# Altium PCB PCB2.PcbDoc (part 1 of 2) (continued)
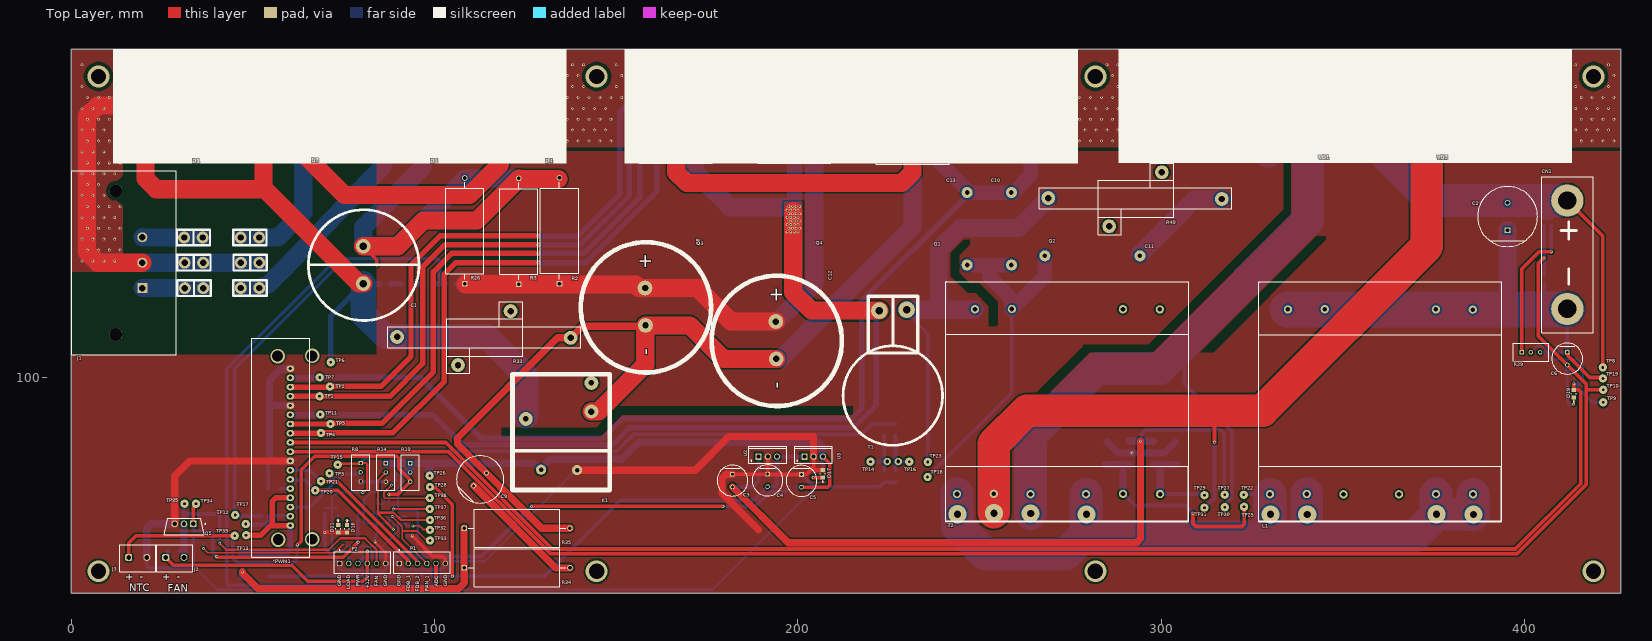
[diagram p0: Top Layer view]
## Part data
C1 C8 C12: library part CAP_450V_330uF
C2: library part CMP-05427-000270-1, "Aluminum Electrolytic Capacitors (Radial Lead Type) AEC-Q200 Qualified 470uF ±20% 100V", Capacitance=470uF, Case/Package=Radial, Dielectric Material=Aluminium, ESR (Equivalent Series Resistance)=47mR, Leakage Current=3uA, Max Operating Temperature=105°C, Min Operating Temperature=-55°C, Package Quantity=100, Ratings=AEC-Q200, Ripple Current=1.92A, Tolerance=20%, Voltage=100V, Construction=RADIAL, Contact Plating=Tin, Diameter=16mm, Height=40mm, Height - Seated (Max)=1.575inch, Impedance=47mR, Lead Diameter=0.8mm, Lead Free="Lead Free", Lead Pitch=7.5mm, Length=40mm, Life (Hours)=5000Hour, Mount="Through Hole", Packaging=Bulk, Polarity=Polar, Radiation Hardening=No, REACH SVHC="No SVHC", RoHS Compliant=Yes, Series=FC, Termination=Radial, Voltage Rating=100V, Voltage Rating (DC)=100V
C3 C4 C5 C6: library part CMP-12462-000027-1, "CAP ALUM 100UF 20% 50V RADIAL", Capacitance=100uF, Case/Package=Radial, Leakage Current=4uA, Max Operating Temperature=105°C, Min Operating Temperature=-55°C, Package Quantity=1, Ripple Current=190mA, Tolerance=20%, Voltage Rating=50V, Diameter=8mm, Height=11.5mm, Height - Seated (Max)=0.512inch, Lead Pitch=3.5mm, Length=11.5mm, Life (Hours)=2000Hour, Mount="Through Hole", Packaging="Tape and Reel", REACH SVHC="No SVHC", Series=KA, Termination=Radial, Voltage Rating (DC)=50V
C7: library part CMP-2007-00279-2, "CAP CER 0.1UF 50V X7R 0805", Capacitance="0.10 μF", Manufacturer=KEMET, Package=C0805C-DN, Temperature="-55°C to +125°C", Temperature Characteristic=X7R, Temperature Coefficient=30ppm/°C, Temperature Range High=+125°C, Temperature Range Low=-55°C, Tolerance=0.1, Voltage Rating="50 V", Automotive=No, Category=Cap, ComponentLink2Description=Datasheet, ComponentLink2URL=https://content.kemet.com/datasheets/KEM_C1003_C0G_SMD.pdf, Device Class L1="Passive Components", Device Class L2=Capacitors, Device Class L3="Ceramic Capacitors", Digikey Description="CAP CER 0.1UF 50V X7R 0805", Height=0.88mm, Ipc Land Pattern Name=CAPC200125X78, Lead Free=Yes, Manufacturer Part Number=C0805C104K5RACTU, Material=Ceramic, Mouser Description="Cap Ceramic 0.1uF 50V X7R 10% SMD 2.0 x 1.2 mm 125 C Paper T/R", Octopart=https://octopart.com/c0805c104k5ractu-kemet-143926, RoHS=TRUE
C9: library part CMP-05427-001155-1, "Aluminum Electrolytic Capacitors (Radial Lead Type) 10uF ±20% 450V", Capacitance=10uF, Case/Package=Radial, Dielectric Material=Aluminium, Leakage Current=10uA, Max Operating Temperature=85°C, Min Operating Temperature=-25°C, Package Quantity=200, Ripple Current=130mA, Tolerance=20%, Voltage=450V, Construction=RADIAL, Diameter=12.5mm, Dissipation Factor=0.2%, Height=20mm, Height - Seated (Max)=0.866inch, Lead Diameter=0.6mm, Lead Free="Lead Free", Lead Pitch=5mm, Lead/Base Style=Straight, Length=20mm, Life (Hours)=2000Hour, Mount="Through Hole", Number of Pins=2, Packaging=Bulk, Polarity=Polar, Radiation Hardening=No, REACH SVHC="No SVHC", Ripple Current (AC)=130mA, RoHS Compliant=Yes, Series=M, Termination=Radial, Voltage Rating=450V, Voltage Rating (DC)=450V
C11: library part 3.3uF_630V
CN1: "Batarey_connection"
D1 D2 D3 D4: library part CMP-02540-000097-1, "DIODE GP 1.2KV 40A TO247AC", Average Rectified Current=40A, Case/Package=TO-247-2, Max Reverse Voltage (DC)=1.2kV, Mount="Through Hole", Packaging=Rail/Tube, RoHS Compliant=Yes, Series=-
D5 D6 D7 D8 D9 D10 D14: library part CMP-2000-04932-2, "Fast Switching Diode, 100 V, 0.15 A, -65 to 150 degC, 2-Pin?SOD123, RoHS, Tape and Reel", If - Forward Current=0.15A, Ir - Reverse Current=1uA, Manufacturer=DiodesIncorporated, Max Surge Current=2A, Maximum Operating Temperature=+150C, Minimum Operating Temperature=-65C, Operating Temperature Range=-65Cto+150C, Package / Case=SOD-123, Package Reference=SOD123-2, Peak Reverse Voltage=100V, Vf - Forward Voltage=1.25V, Brand=DiodesIncorporated, Configuration=Single, Datasheet URL=http://www.farnell.com/datasheets/1915529.pdf, Datasheet Version="Rev. 24-2, 10/2013", Factory Pack Quantity=3000, Height=1.25mm, Length=2.85mm, Manufacturer URL=http://www.diodes.com/, Mounting Style=SMD/SMT, Package URL=http://www.diodes.com/datasheets/ds18004.pdf, Packaging=Reel, Product=SwitchingDiodes, Product Category=Diodes-GeneralPurpose,Power,Switching, Recovery Time=4ns, RoHS=True, Series=1N4148, Type=SwitchingDiode, Unit Weight=0.000353oz, Width=1.7mm
D11 D12 D13 D15 D16 D20: library part CMP-02540-000021-1, "DIODE GEN PURP 200V 3A DO214AB", Capacitance=45pF, Forward Current=3A, Manufacturer=Vishay, Max Junction Temp=+150°C, Max Repetitive Reverse Voltage=200V, Max Surge Forward Current=100A, Package=95402, Peak Reverse Current=10uA, Temperature="-55°C to +150°C", Temperature Range Low=-55°C, Automotive=No, Category=Diode, ComponentLink2Description=Datasheet, ComponentLink2URL=http://www.vishay.com/docs/88589/es3.pdf, Device Class L1="Discrete Semiconductors", Device Class L2=Diodes, Device Class L3="Rectifier Diodes", Digikey Description="DIODE GEN PURP 200V 3A DO214AB", Footprint Url=https://www.vishay.com/docs/95402/smc.pdf, Height=2.62mm, Lead Free=Yes, Manufacturer Part Number=ES3D-E3/57T, Mouser Description="Rectifiers 3.0 Amp 200V 20ns", Octopart=https://octopart.com/es3d-e3%2F57t-vishay-39550290, Reverse Voltage=200V, RoHS=TRUE, Standoff Height=0mm, Temperature Range High=+150°C
D17 D18 D19 D21: "WURTH ELEKTRONIK - 151031YS06000 - LED, Yellow, Through Hole, T-1 (3mm), 30 mA, 2 V, 590 nm", Manufacturer_Name="Wurth Elektronik", Mouser Part Number=710-151031YS06000, Datasheet Link=https://katalog.we-online.de/led/datasheet/151031YS06000.pdf, Geometry.Height=5.5mm, Manufacturer_Part_Number=151031YS06000, Mouser Price/Stock=https://www.mouser.co.uk/ProductDetail/Wurth-Elektronik/151031YS06000?qs=LlUlMxKIyB3xSYYW%252BcuBiQ%3D%3D
J1: library part CMP-64678-000001-1, "PWR ENT RCPT IEC320-C14 PNL SLDR", Color=Black, Current=15A, Max Voltage Rating (AC)=250V, Package Quantity=100, Approvals=UL, Connector Type=Receptacle, Contact Plating=Tin, Current Rating=15A, Fuse=No, Gender=Receptacle, Housing Material=Thermoplastic, Lead Free="Lead Free", Max Current Rating=15A, Mount="Through Hole", Number of Contacts=3, Number of Poles=2, Number of Positions=3, Orientation="Right Angle", Packaging=Bulk, Panel Thickness=0.12inch, Pitch=7mm, REACH SVHC="No SVHC", Termination=Solder, Voltage Rating=250V, Voltage Rating (AC)=250V, Voltage Rating (DC)=250V
J2 J3: "WR-TBL Series 1377 Horizontal Entry, THT, pitch 5mm, 2p", Manufacturer="Wurth Elektronik", Operating Temperature Max=120°C, Operating Temperature Min=-30°C, Rated Current=16A, Working Voltage=300V, Application="Pressure Clamp", Category="Terminal Blocks", ComponentLink1Description="Website Link", ComponentLink1URL=https://www.we-online.com/redexpert/article/691137710002?ad, ComponentLink2Description="Datasheet Link", ComponentLink2URL=https://www.we-online.com/redexpert/spec/691137710002?ad, Manufacturer Part Number=691137710002, Match Code=WR-TBL, Modularity=No, Mount="Through Hole", Number of Pins=2, Number of Rows=1, Orientation=Horizontal, Packaging=Box, Pitch=5mm
J10: library part CMP-157536-000001-1, "XT60 CONNECTORS MALE/FEMALE PAIR"
K1: library part CMP-03396-000117-1, "RELAY GEN PURPOSE SPST 30A 48V", Coil Current=21mA, Coil Power=1W, Coil Resistance=2.304kR, Coil Voltage (DC)=48V, Contact Current Rating=30A, Contact Voltage Rating (AC)=277V, Max Operating Temperature=85°C, Min Operating Temperature=-55°C, Package Quantity=50, Power Consumption=4W, Application(s)="GENERAL PURPOSE", Approvals=UL, Coil Type=Non-Latching, Contact Material=Silver, Current Rating=30A, Depth=27.43mm, ELV=Non-Compliant, Height=20.4mm, Lead Free="Lead Free", Length=32.5mm, Life (Hours)=100000Hour, Max Voltage Rating (AC)=277V, Mount="Through Hole", Number of Pins=4, Operate Time=15ms, Packaging=Tray, Radiation Hardening=No, Relay Type="General Purpose", Release Time=15ms, RoHS Compliant=Yes, Series=T9A, Termination=PCB, Throw Configuration=SPST, Voltage Rating (AC)=277V, Weight=0.918oz, Width=27.4mm
L1: library part DROSEL, "Drosel", Manufacturer="Wuerth Elektronik", ComponentLink1Description="Manufacturer URL", ComponentLink1URL=http://www.we-online.com, ComponentLink2Description=Datasheet, ComponentLink2URL=http://katalog.we-online.de/pbs/datasheet/750311457.pdf, PackageReference=EP13, PartNumber=750311457, Ui=36V
P1 P2: "WR-WTB THT Male Vertical Locking Header, pitch 2.54mm, 6pins", Contact Resistance=20mΩ, Manufacturer="Wurth Elektronik", Operating Temperature Max=105°C, Operating Temperature Min=-40°C, Rated Current=3A, Withstanding Voltage=1000VAC, Working Voltage=250VAC, Category="Wire-to-Board Connectors", ComponentLink1Description="Website Link", ComponentLink1URL=https://www.we-online.com/redexpert/article/61900611121?ad, ComponentLink2Description="Datasheet Link", ComponentLink2URL=https://www.we-online.com/redexpert/spec/61900611121?ad, Gender=Male, Height=11.5mm, Length=15.24mm, Manufacturer Part Number=61900611121, Match Code=WR-WTB, Mount="Through Hole", Number of Pins=6, Number of Rows=1, Orientation=Vertical, Packaging=Bag, Pitch=2.54mm, Width=5.8mm
Q1 Q2 Q3 Q4: library part CMP-1168-00042-1, "Low Loss IGBT in TrenchStop and Fieldstop Technology, PG-TO247-3-44, Tube, Green", Manufacturer=Infineon, Switching Frequency="TRENCHSTOP 2-20kHz", ComponentLink1Description="Manufacturer URL", ComponentLink1URL=http://www.infineon.com/, ComponentLink2Description=Datasheet, ComponentLink2URL=http://www.infineon.com/dgdl/IGW60T120_Rev2_4G.pdf?folderId=db3a304412b407950112b408e8c90004&fileId=db3a304412b407950112b428250e3d74, ComponentLink3Description="Package Specification", ComponentLink3URL=http://www.infineon.com/dgdl/IDW10S120_Rev+2.pdf?folderId=db3a304314dca38901151224afae0c96&fileId=db3a304336724dc40136789691a04aa5, DatasheetVersion="Rev. 2.4", Green=TRUE, Halogen-free=FALSE, IC(max) @ 25 degC="100 A", Mounting Technology="Through Hole", PackageDescription="3-Pin Plastic (Green) Transistor Single Outline Package, Body 15.915 x 20.95 mm, Pitch 5.44 mm", PackageReference=PG-TO247-3-44_A, PackageVersion="Rev. 05, 07/2010", Packing=Tube, PartNumber=IGW60T120, RevisionNote="Lost Devices pt2", VCE (max)="1,200 V", VCE(sat) (typ)="2.3 V"
Q5: library part CMP-32901-000501-1, "MOSFET N-CH 55V 51A TO220AB", Case/Package=TO-220, Continuous Drain Current (ID)=51A, Drain to Source Breakdown Voltage=55V, Drain to Source Resistance=13.9mR, Gate to Source Voltage (Vgs)=20V, Input Capacitance=1.42nF, Max Operating Temperature=175°C, Max Power Dissipation=80W, Min Operating Temperature=-55°C, Threshold Voltage=4V, Drain to Source Voltage (Vdss)=55V, Halogen Free="Halogen Free", Height=0.38inch, Lead Free="Lead Free", Length=0.42inch, Max Dual Supply Voltage=55V, Mount="Through Hole", Number of Pins=3, Packaging=Rail/Tube, Power Dissipation=80W, Rds On Max=13.9mR, REACH SVHC="No SVHC", RoHS Compliant=Yes, Turn-Off Delay Time=33ns, Turn-On Delay Time=14ns, Width=0.19inch
R1: library part CMP-2001-04908-2, "RES Thick Film, 470Ω, 1%, 0.125W, 100ppm/°C, 0805", Case Code (Imperial)=0805, Case Code (Metric)=2012, Max Operating Temperature=155°C, Min Operating Temperature=-55°C, Package Quantity=5000, Power Rating=125mW, Resistance=10kR, Temperature Coefficient=100ppm/°C, Tolerance=1%, Voltage Rating=150V, Case/Package=0805, Composition="Thick Film", Contact Plating=Tin, Depth=1.25mm, Height=0.45mm, Lead Free="Lead Free", Length=2mm, Military Standard=Not, Packaging="Tape and Reel", Radiation Hardening=No, Termination=SMD/SMT, Voltage Rating (DC)=150V, Weight=0.000194oz, Width=1.25mm
R2 R3 R26 R34 R35: library part CMP-03413-000003-1, "RES 1.2 OHM 5W 5% AXIAL", Manufacturer=Yageo, Package=SQP500, Power Rating=5W, Resistance=1.2Ω, Temperature="-55°C to +155°C", Temperature Coefficient=300ppm/°C, Temperature Range High=+155°C, Temperature Range Low=-55°C, Tolerance=5%, Voltage Rating=350V, Automotive=No, Category=Res, ComponentLink2Description=Datasheet, ComponentLink2URL=https://datasheet.ciiva.com/2723/yageolr-sqpnsp-2013-2723111.pdf, Composition=Wirewound, Device Class L1="Passive Components", Device Class L2=Resistors, Device Class L3="Through-Hole Resistors", Digikey Description="RES 1.2 OHM 5W 5% AXIAL", Height=10mm, Ipc Land Pattern Name=RESAD2911W100L2350D1050, Lead Free=Yes, Manufacturer Part Number=SQP500JB-1R2, Octopart=https://octopart.com/sqp500jb-1r2-yageo-1162571, RoHS=TRUE, Series=SQP
R4 R7 R9 R10: library part CMP-2005-01987-2, "RES SMD 3,3K OHM 1% 1/2W 1992", Case Code (Imperial)=1210, Case Code (Metric)=3225, Max Operating Temperature=155°C, Max Power Dissipation=500mW, Min Operating Temperature=-55°C, Package Quantity=1, Resistance=0mR, Temperature Coefficient=0ppm/°C, Voltage Rating=200V, Case/Package=1210, Composition="Thick Film", Contact Plating=Tin, Depth=2.5mm, Features="Automotive AEC-Q200", Height=0.55mm, Length=3.2mm, Military Standard=Not, Mount="Surface Mount", Number of Terminations=2, Packaging="Tape and Reel", Power Rating=500mW, Radiation Hardening=No, REACH SVHC="No SVHC", Termination=SMD/SMT, Weight=0.000564oz, Width=0.098inch
R5: library part CMP-2005-01987-2, "RES SMD 10K OHM 1% 1/2W 1992", Case Code (Imperial)=1210, Case Code (Metric)=3225, Max Operating Temperature=155°C, Max Power Dissipation=500mW, Min Operating Temperature=-55°C, Package Quantity=1, Resistance=0mR, Temperature Coefficient=0ppm/°C, Voltage Rating=200V, Case/Package=1210, Composition="Thick Film", Contact Plating=Tin, Depth=2.5mm, Features="Automotive AEC-Q200", Height=0.55mm, Length=3.2mm, Military Standard=Not, Mount="Surface Mount", Number of Terminations=2, Packaging="Tape and Reel", Power Rating=500mW, Radiation Hardening=No, REACH SVHC="No SVHC", Termination=SMD/SMT, Weight=0.000564oz, Width=0.098inch
R6: library part CMP-2005-01987-2, "RES SMD 205K OHM 1% 1/2W 1992", Case Code (Imperial)=1210, Case Code (Metric)=3225, Max Operating Temperature=155°C, Max Power Dissipation=500mW, Min Operating Temperature=-55°C, Package Quantity=1, Resistance=0mR, Temperature Coefficient=0ppm/°C, Voltage Rating=200V, Case/Package=1210, Composition="Thick Film", Contact Plating=Tin, Depth=2.5mm, Features="Automotive AEC-Q200", Height=0.55mm, Length=3.2mm, Military Standard=Not, Mount="Surface Mount", Number of Terminations=2, Packaging="Tape and Reel", Power Rating=500mW, Radiation Hardening=No, REACH SVHC="No SVHC", Termination=SMD/SMT, Weight=0.000564oz, Width=0.098inch
R11 R20: library part CMP-2001-04908-2, "RES Thick Film, 1MΩ, 1%, 0.125W, 100ppm/°C, 0805", Case Code (Imperial)=0805, Case Code (Metric)=2012, Max Operating Temperature=155°C, Min Operating Temperature=-55°C, Package Quantity=5000, Power Rating=125mW, Resistance=10kR, Temperature Coefficient=100ppm/°C, Tolerance=1%, Voltage Rating=150V, Case/Package=0805, Composition="Thick Film", Contact Plating=Tin, Depth=1.25mm, Height=0.45mm, Lead Free="Lead Free", Length=2mm, Military Standard=Not, Packaging="Tape and Reel", Radiation Hardening=No, Termination=SMD/SMT, Voltage Rating (DC)=150V, Weight=0.000194oz, Width=1.25mm
R12 R13 R16: library part CMP-2005-01987-2, "RES SMD 300K OHM 1% 1/2W 1992", Case Code (Imperial)=1210, Case Code (Metric)=3225, Max Operating Temperature=155°C, Max Power Dissipation=500mW, Min Operating Temperature=-55°C, Package Quantity=1, Resistance=0mR, Temperature Coefficient=0ppm/°C, Voltage Rating=200V, Case/Package=1210, Composition="Thick Film", Contact Plating=Tin, Depth=2.5mm, Features="Automotive AEC-Q200", Height=0.55mm, Length=3.2mm, Military Standard=Not, Mount="Surface Mount", Number of Terminations=2, Packaging="Tape and Reel", Power Rating=500mW, Radiation Hardening=No, REACH SVHC="No SVHC", Termination=SMD/SMT, Weight=0.000564oz, Width=0.098inch
R15 R22 R23 R24 R25 R31 R32 R36 R37 R38 R39: library part CMP-2001-04908-2, "RES Thick Film, 10KΩ, 1%, 0.125W, 100ppm/°C, 0805", Case Code (Imperial)=0805, Case Code (Metric)=2012, Max Operating Temperature=155°C, Min Operating Temperature=-55°C, Package Quantity=5000, Power Rating=125mW, Resistance=10kR, Temperature Coefficient=100ppm/°C, Tolerance=1%, Voltage Rating=150V, Case/Package=0805, Composition="Thick Film", Contact Plating=Tin, Depth=1.25mm, Height=0.45mm, Lead Free="Lead Free", Length=2mm, Military Standard=Not, Packaging="Tape and Reel", Radiation Hardening=No, Termination=SMD/SMT, Voltage Rating (DC)=150V, Weight=0.000194oz, Width=1.25mm
R17: library part CMP-2005-01987-2, "RES SMD 1K OHM 1% 1/2W 1992", Case Code (Imperial)=1210, Case Code (Metric)=3225, Max Operating Temperature=155°C, Max Power Dissipation=500mW, Min Operating Temperature=-55°C, Package Quantity=1, Resistance=0mR, Temperature Coefficient=0ppm/°C, Voltage Rating=200V, Case/Package=1210, Composition="Thick Film", Contact Plating=Tin, Depth=2.5mm, Features="Automotive AEC-Q200", Height=0.55mm, Length=3.2mm, Military Standard=Not, Mount="Surface Mount", Number of Terminations=2, Packaging="Tape and Reel", Power Rating=500mW, Radiation Hardening=No, REACH SVHC="No SVHC", Termination=SMD/SMT, Weight=0.000564oz, Width=0.098inch
R18 R21: library part CMP-2001-04908-2, "RES Thick Film, 20KΩ, 1%, 0.125W, 100ppm/°C, 0805", Case Code (Imperial)=0805, Case Code (Metric)=2012, Max Operating Temperature=155°C, Min Operating Temperature=-55°C, Package Quantity=5000, Power Rating=125mW, Resistance=10kR, Temperature Coefficient=100ppm/°C, Tolerance=1%, Voltage Rating=150V, Case/Package=0805, Composition="Thick Film", Contact Plating=Tin, Depth=1.25mm, Height=0.45mm, Lead Free="Lead Free", Length=2mm, Military Standard=Not, Packaging="Tape and Reel", Radiation Hardening=No, Termination=SMD/SMT, Voltage Rating (DC)=150V, Weight=0.000194oz, Width=1.25mm
R27 R30: library part CMP-2001-04908-2, "RES Thick Film, 51KΩ, 1%, 0.125W, 100ppm/°C, 0805", Case Code (Imperial)=0805, Case Code (Metric)=2012, Max Operating Temperature=155°C, Min Operating Temperature=-55°C, Package Quantity=5000, Power Rating=125mW, Resistance=10kR, Temperature Coefficient=100ppm/°C, Tolerance=1%, Voltage Rating=150V, Case/Package=0805, Composition="Thick Film", Contact Plating=Tin, Depth=1.25mm, Height=0.45mm, Lead Free="Lead Free", Length=2mm, Military Standard=Not, Packaging="Tape and Reel", Radiation Hardening=No, Termination=SMD/SMT, Voltage Rating (DC)=150V, Weight=0.000194oz, Width=1.25mm
R28: library part CMP-2001-04908-2, "RES Thick Film, 510Ω, 1%, 0.125W, 100ppm/°C, 0805", Case Code (Imperial)=0805, Case Code (Metric)=2012, Max Operating Temperature=155°C, Min Operating Temperature=-55°C, Package Quantity=5000, Power Rating=125mW, Resistance=10kR, Temperature Coefficient=100ppm/°C, Tolerance=1%, Voltage Rating=150V, Case/Package=0805, Composition="Thick Film", Contact Plating=Tin, Depth=1.25mm, Height=0.45mm, Lead Free="Lead Free", Length=2mm, Military Standard=Not, Packaging="Tape and Reel", Radiation Hardening=No, Termination=SMD/SMT, Voltage Rating (DC)=150V, Weight=0.000194oz, Width=1.25mm
R33: library part RES_10W
T2: library part Transformer, "Transformer", Manufacturer="Wuerth Elektronik", ComponentLink1Description="Manufacturer URL", ComponentLink1URL=http://www.we-online.com, ComponentLink2Description=Datasheet, ComponentLink2URL=http://katalog.we-online.de/pbs/datasheet/750311457.pdf, PackageReference=EP13, PartNumber=750311457, Ui=36V
TP1 TP2 TP3 TP4 TP5 TP6 TP7 TP8 TP9 TP10 TP11 TP12 TP13 TP14 TP15 TP16 TP17 TP18 TP19 TP20 TP21 TP22 TP23 TP25 TP26 TP27 TP28 TP29 TP30 TP31 TP32 TP33 TP34 TP35 TP36 TP37 TP38 TP39: library part TP_PCB?, "Test_Point"
U1: library part CMP-1685-00009-2, "IC OPAMP GP 2 CIRCUIT 8SOIC", Case/Package=SOIC, Dual Supply Voltage=9V, Input Bias Current=250nA, Input Offset Voltage (Vos)=7mV, Max Dual Supply Voltage=16V, Max Operating Temperature=70°C, Max Supply Voltage=32V, Min Dual Supply Voltage=1.5V, Min Operating Temperature=0°C, Min Supply Voltage=3V, Nominal Supply Current=1.2mA, Operating Supply Current=1mA, Output Current=30mA, Package Quantity=2500, Power Supply Rejection Ratio (PSRR)=65dB, Voltage Gain=100dB, Bandwidth=700kHz, Common Mode Rejection Ratio=65dB, Contact Plating=Gold, Gain Bandwidth Product=700kHz, Height=1.58mm, Lead Free="Lead Free", Length=4.9mm, Mount="Surface Mount", Number of Amplifiers=2, Number of Channels=2, Number of Circuits=2, Number of Elements=2, Number of Pins=8, Operating Supply Voltage=16V, Output Current per Channel=30mA, Packaging="Tape and Reel", Radiation Hardening=No, REACH SVHC="No SVHC", Slew Rate=0.3V/µs, Unity Gain Bandwidth Product=700kHz, Width=3.91mm
U2: library part CMP-0244-00426-1, "Positive Voltage Regulator, 18V, 3-Pin TO-220", ComponentLink1Description="Manufacturer URL", ComponentLink1URL=http://www.st.com, ComponentLink2Description=Datasheet, ComponentLink2URL=http://www.st.com/internet/com/TECHNICAL_RESOURCES/TECHNICAL_LITERATURE/DATASHEET/CD00000444.pdf, ComponentLink3Description="Package Specification", ComponentLink3URL=http://www.st.com/internet/com/TECHNICAL_RESOURCES/TECHNICAL_LITERATURE/PACKAGE_INFORMATION/CD00004649.pdf, DatasheetVersion=16/11/2011, PackageDescription="TO, Thru-Hole, Vertical, Heatsink Mounted; 3 In-Line Leads; Pitch 2.54 mm", PackageReference=TO220, PackageVersion=ver3.0
U3: library part CMP-0244-00450-1, "Positive Voltage Regulator, 12V, 3-Pin TO-220", ComponentLink1Description="Manufacturer URL", ComponentLink1URL=http://www.st.com, ComponentLink2Description=Datasheet, ComponentLink2URL=http://www.st.com/internet/com/TECHNICAL_RESOURCES/TECHNICAL_LITERATURE/DATASHEET/CD00000444.pdf, ComponentLink3Description="Package Specification", ComponentLink3URL=http://www.st.com/internet/com/TECHNICAL_RESOURCES/TECHNICAL_LITERATURE/PACKAGE_INFORMATION/CD00004649.pdf, DatasheetVersion=16/11/2011, PackageDescription="TO, Thru-Hole, Vertical, Heatsink Mounted; 3 In-Line Leads; Pitch 2.54 mm", PackageReference=TO220, PackageVersion=ver3.0
U4: library part CMP-0242-00060-1, "Programmable Voltage Reference, 2.5 to 36V, 3-Pin SOT23-3, Tape and Reel", ComponentLink1Description="Manufacturer URL", ComponentLink1URL=http://www.st.com, ComponentLink2Description=Datasheet, ComponentLink2URL=http://www.st.com/internet/com/TECHNICAL_RESOURCES/TECHNICAL_LITERATURE/DATASHEET/CD00000986.pdf, DatasheetVersion=Oct-2011, PackageDescription="3-Pin SOT-23 Package 0.95 mm Pitch, 2.4 mm Lead Span", PackageReference=SOT23-3, PackageVersion=2011

## Via types
v1: diameter 0.8, hole 0.4, Top Layer to Bottom Layer, tented both sides, 732 vias
v2: diameter 10, hole 4.2, Top Layer to Bottom Layer, 9 vias
v3: diameter 5, hole 2, Top Layer to Bottom Layer, 8 vias
v4: diameter 6, hole 4.2, Top Layer to Bottom Layer, 8 vias
v5: diameter 4, hole 3, Top Layer to Bottom Layer, tented both sides, 4 vias

## Nets (pads, with @x,y where several pads share a name; then routed paths per layer and width w, separated by ;. In a path a pad name is that pad's centre, name@x,y a point inside that pad or via, vN(x,y) a via of type N, cw(c..) or ccw(c..) an arc to the next point about the centre after c; other vN are vias at no path point)
GND: *PWM1.8 *PWM1.14 *PWM1.18 C3.1 C4.1 C5.1 C7.2 C8.2 C12.2 D5.1 D7.1 D13.2 D16.2 D17.2 D18.2 D21.2 J3.2 K1.4 P1.1 P1.6 P2.1 P2.6 Q2.3 Q4.3 Q5.3 R2.1 R3.1 R5.1 R7.1 R8.3 R10.1 R14.3 R15.1 R17.1 R21.1 R22.1 R23.1 R26.1 U1.4 U2.2 U3.2 | length 1004.5
  Top Layer w0.6: v1(83.579,54.7) 86.563,51.716 P2.6@86.563,48.768
  Top Layer w1: v1(69.799,57.328) 69.808,57.319 D21.2@73.508,57.319 ; D21.2@73.57,57.306 75.908,57.306 D18.2@75.921,57.294 ; v1(93.878,56.363) 99.543,50.698 102.235,50.698 102.946,49.987 P1.6@102.946,48.768 ; C3.1@181.966,73.327 181.992,73.354 191.591,73.354 C4.1@191.618,73.381 ; U2.2@191.694,78.156 191.656,78.118 191.656,73.419 C4.1@191.618,73.381 ; U3.2@204.292,78.156 204.292,75.311 ; D17.2@206.858,74.481 204.878,74.481 204.292,75.067 204.292,75.311 ; C4.1@191.618,73.381 191.745,73.254 C5.1@200.965,73.254 201.066,73.355 202.336,73.355 204.292,75.311
  Top Layer w2: Q5.3@28.524,59.665 28.524,72.847 32.664,76.987 *PWM1.8@60.325,76.987 ; K1.4@139.192,74.447 K1.4@139.217,74.447 171.704,74.447 180.95,83.693 204.292,83.693 U3.2@204.292,78.156 ; C3.1@181.966,73.327 180.242,73.327 179.07,72.156 179.07,68.123 189.154,58.039
  Top Layer w5: R26.1@108.508,125.577 123.165,125.577 R2.1@134.366,125.577 ; R2.1@134.594,125.527 155.27,125.527 156.235,124.562 172.39,124.562 181.61,115.341 C12.2@193.904,115.341 ; Q4.3@204.495,161.696 204.495,175.557 207.424,178.486 266.565,178.486 269.494,175.557 Q2.3@269.494,161.595
  Bottom Layer w0.6: 33.63,48.135 40.24,41.524 176.449,41.524 204.851,69.926 ; v1(83.579,54.7) 83.618,54.738 83.618,55.843 84.074,56.3 R23.1@84.074,59.731 ; R21.1@84.074,68.463 82.763,68.463 80.543,66.243 80.543,60.245 81.057,59.731 R23.1@84.074,59.731 ; U1.4@85.957,59.731 R23.1@84.074,59.731 ; P1.6@102.946,48.768 103.113,48.768 103.748,49.403 113.843,49.403 K1.4@139.852,75.413
  Bottom Layer w1: J3.2@20.839,50.428 20.839,48.135 21.425,47.549 33.044,47.549 33.63,48.135 R15.1@33.63,55.845 ; R5.1@54.279,69.317 54.279,78.917 54.61,79.248 ; C7.2@69.799,62.471 v1(69.799,57.328) 69.799,52.832 P2.1@73.863,48.768 73.863,47.322 74.449,46.736 85.977,46.736 86.563,47.322 P2.6@86.563,48.768 P1.1@90.246,48.768 90.496,48.518 90.496,47.703 91.181,47.018 101.783,47.018 102.851,48.086 102.851,48.672 P1.6@102.946,48.768 ; R8.3@79.654,71.323 79.68,71.298 84.074,71.298 ; R21.1@84.074,68.463 84.074,71.298 ; R14.3@86.609,71.272 86.584,71.298 84.074,71.298 ; R22.1@92.503,56.379 93.862,56.379 v1(93.878,56.363) ; C5.1@200.965,73.254 204.292,69.926 204.851,69.926 222.606,69.926 D5.1@223.799,71.12 D7.1@226.873,71.12
  Bottom Layer w1.5: R17.1@106.073,125.755 108.406,125.755 108.56,125.602 R26.1@108.991,125.17
  Bottom Layer w2: J3.2@20.839,50.428 20.839,58.493 22.01,59.665 Q5.3@28.524,59.665 ; *PWM1.8@60.325,76.987 55.782,76.987 54.61,78.159 54.61,79.248 54.61,92.227 ; *PWM1.14@60.325,92.227 54.61,92.227 ; *PWM1.18@60.325,102.387 60.246,102.308 60.055,102.308 59.984,102.236 57.637,102.236 54.61,99.209 54.61,92.227 ; R10.1@200.28,168.376 203.222,168.376 204.394,167.205 Q4.3@204.394,161.645 ; R7.1@266.621,168.155 267.745,168.155 269.494,166.406 Q2.3@269.494,161.595 ; D13.2@285.055,82.191 288.099,79.146 v1(291.922,79.146) 300.826,79.146 D16.2@303.844,82.165
  Bottom Layer w5: R26.1@108.331,125.602 108.56,125.602 R3.1@123.165,125.602 R2.1@134.366,125.602 ; R2.1@134.568,125.552 155.27,125.552 156.362,124.46 C8.2@157.912,124.46 ; C8.2@157.912,124.562 172.415,124.562 181.635,115.341 C12.2@193.904,115.341 ; C12.2@194.234,115.341 204.495,125.603 Q4.3@204.495,161.696
Net*PWM1_1: *PWM1.1 *PWM1.4 D11.1 D20.1 TP13.1 | length 46.2
  Top Layer w1.5: TP13.1@48.158,56.566 52.248,56.566 54.889,59.207 55.397,59.207 ; *PWM1.1@60.325,59.207 55.397,59.207 ; *PWM1.4@60.325,66.827 56.276,66.827 55.397,65.949 55.397,59.207
  Bottom Layer w1.5: D20.1@46.529,51.613 59.421,51.613 60.3,52.491 60.3,59.182 *PWM1.1@60.325,59.207
Net*PWM1_2: *PWM1.2 R1.2 TP17.1 | length 13.8
  Bottom Layer w1: TP17.1@48.412,59.487 53.289,59.487 54.34,60.538 R1.2@54.34,61.9 59.772,61.9 59.924,61.747 *PWM1.2@60.325,61.747
Net*PWM1_3: *PWM1.3 R8.2 TP3.1 | length 26
  Bottom Layer w1: *PWM1.3@60.325,64.287 65.684,64.287 72.923,71.526 ; TP3.1@70.98,73.469 72.923,71.526 ; R8.2@79.654,73.863 79.6,73.863 79.092,73.355 74.752,73.355 72.923,71.526
Net*PWM1_5: *PWM1.5 R5.2 | length 3
  Bottom Layer w1: R5.2@57.38,69.317 57.405,69.342 60.3,69.342 *PWM1.5@60.325,69.367
Net*PWM1_6: *PWM1.6 P1.2 TP20.1 | length 42.5
  Top Layer w1: TP20.1@67.158,68.885 73.406,68.885 92.691,49.6 92.691,48.864 P1.2@92.786,48.768
  Bottom Layer w1: *PWM1.6@60.325,71.907 60.579,71.653 64.389,71.653 TP20.1@67.158,68.885
Net*PWM1_7: *PWM1.7 P1.3 TP21.1 | length 45.9
  Top Layer w1: TP21.1@68.758,71.399 73.203,71.399 95.231,49.372 95.231,48.864 P1.3@95.326,48.768
  Bottom Layer w1: *PWM1.7@60.325,74.447 65.71,74.447 TP21.1@68.758,71.399
Net*PWM1_9: *PWM1.9 C6.2 R28.2 R30.1 R31.2 R32.2 TP10.1 | length 466.5
  Top Layer w1: *PWM1.9@60.325,79.527 103.53,79.527 103.852,79.527 131.894,51.486 397.866,51.486 416.89,70.51 416.89,96.545 ; v1(405.257,132.867) 403.682,131.293 403.682,111.359 416.89,98.151 416.89,96.545 ; TP10.1@421.538,96.545 416.89,96.545
  Bottom Layer w1: R32.2@405.282,127.924 R30.1@405.282,141.849 ; C6.2@411.658,103.383 R31.2@411.658,101.879 411.666,101.872 413.479,101.872 R28.2@413.487,101.864
Net*PWM1_10: *PWM1.10 D19.2 R28.1 TP9.1 U4.1 | length 433.3
  Top Layer w1: *PWM1.10@60.325,82.067 103.085,82.067 132.413,52.74 397.346,52.74 415.341,70.734 415.341,95.94 414.755,96.526 413.49,96.526 D19.2@413.487,96.529 v1(413.487,98.196)
  Bottom Layer w0.6: U4.1@406.287,105.908 406.587,105.908 407.593,104.902 414.452,104.902 415.95,103.403 415.95,99.085 415.061,98.196 v1(413.487,98.196) R28.1@413.487,99.914
  Bottom Layer w1: v1(413.487,98.196) 418.567,93.116 TP9.1@421.538,93.116
Net*PWM1_11: *PWM1.11 Q3.1 R9.2 TP4.1 | length 165.5
  Top Layer w1.5: *PWM1.11@60.325,84.607 68.732,84.607 TP4.1@68.809,84.684 ; TP4.1@68.732,84.684 88.494,84.684 102.692,98.882 102.692,128.372 105.867,131.547 v1(128.473,131.547)
  Bottom Layer w1.5: v1(128.473,131.547) 141.656,131.547 161.163,151.054 Q3.1@161.163,161.696
  Bottom Layer w2: Q3.1@161.163,161.696 161.163,166.728 162.51,168.075 164.217,168.075 164.515,168.373 R9.2@164.515,168.478
Net*PWM1_12: *PWM1.12 Q4.1 R10.2 TP5.1 | length 209.1
  Top Layer w1.5: *PWM1.12@60.325,87.147 TP5.1@71.272,87.147 ; TP5.1@71.374,87.173 71.524,87.323 85.494,87.323 99.644,101.473 99.644,129.032 104.699,134.087 v1(128.473,134.087)
  Bottom Layer w1.5: v1(128.473,134.087) 141.008,134.087 156.413,149.492 156.413,168.554 162.954,175.095 185.762,175.095 193.37,167.488 ; 193.599,167.142 194.77,168.313 R10.2@196.881,168.313 ; Q4.1@193.7,161.696 193.7,167.243